# KiCad board tiny_rocket_av_bay.kicad_pcb
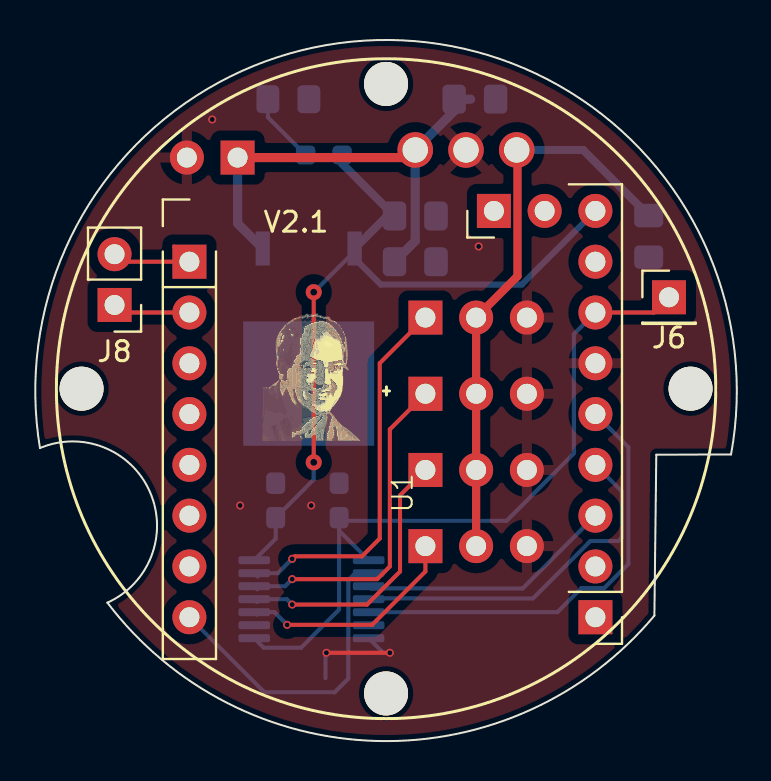
[diagram p0: board, top side]
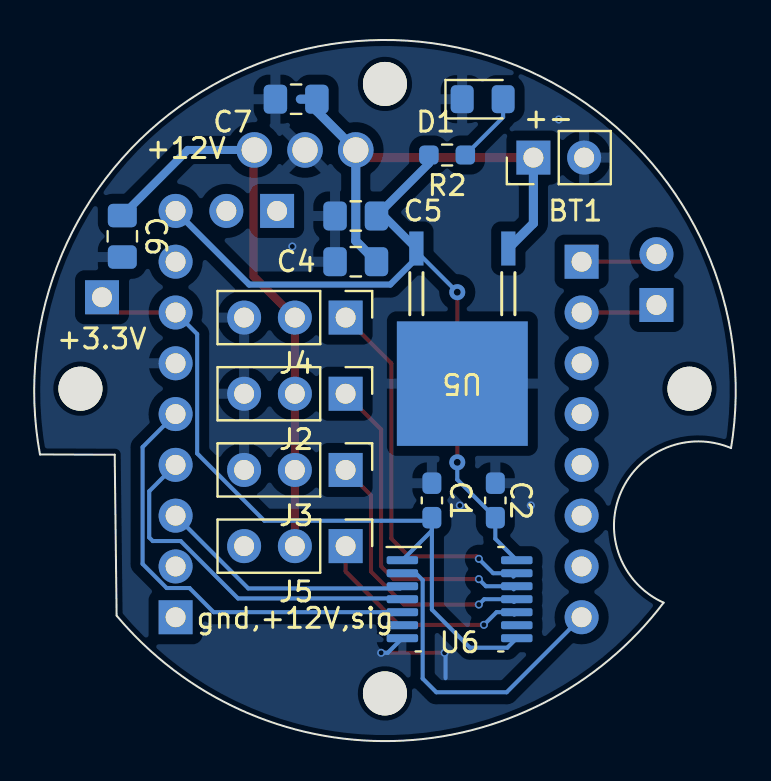
[diagram p1: board, bottom side, seen from below]

Outline 34.59 x 35.06 mm; copper layers: Top, Bottom. Coordinates in mm from the lower left corner of the outline.
Outline path: 0,14.65 arc(5.5,12.45) 3.37,6.92 arc(16.91,0) 30.75,6.27 30.85,14.32 34.59,14.33 arc(17.48,35.06) 0,14.65
Stack: Top 0.035mm / dielectric 1.51mm FR4 er 4.5 / Bottom 0.035mm

## Placement (name value [footprint] x y rotation side)
BT1  Battery  [PinHeader_1x02_P2.54mm_Vertical]  9.89 29.18 90 bottom
C1  .1u  [C_0603_1608Metric_Pad1.08x0.95mm_HandSolder]  14.97 12.03 270 bottom
C2  .1u  [C_0603_1608Metric_Pad1.08x0.95mm_HandSolder]  11.8 12.03 90 bottom
C4  10u  [C_0805_2012Metric_Pad1.18x1.45mm_HandSolder]  18.78 23.97 0 bottom
C5  10u  [C_0805_2012Metric_Pad1.18x1.45mm_HandSolder]  18.78 26.26 0 bottom
C6  10u  [C_0805_2012Metric_Pad1.18x1.45mm_HandSolder]  30.47 25.24 270 bottom
C7  10u  [C_0805_2012Metric_Pad1.18x1.45mm_HandSolder]  21.77 32.1 0 bottom
D1  On/Off - Green  [LED_0805_2012Metric_Pad1.15x1.40mm_HandSolder]  12.43 32.1 180 bottom
G***  -  [LOGO]  13.64 18.51 0 top
H1  MountingHole  [MountingHole_2.2mm_M2_DIN965]  2.08 17.62 0 top
H2  MountingHole  [MountingHole_2.2mm_M2_DIN965]  17.32 32.86 0 top
H3  MountingHole  [MountingHole_2.2mm_M2_DIN965]  32.56 17.62 0 top
H4  MountingHole  [MountingHole_2.2mm_M2_DIN965]  17.32 2.38 0 top
J2  Servo 1  [PinHeader_1x03_P2.54mm_Vertical]  19.29 17.37 270 bottom
J3  Servo 2  [PinHeader_1x03_P2.54mm_Vertical]  19.29 13.56 270 bottom
J4  Servo 0  [PinHeader_1x03_P2.54mm_Vertical]  19.29 21.18 270 bottom
J5  Servo 3  [PinHeader_1x03_P2.54mm_Vertical]  19.29 9.75 270 bottom
J6  VDDIO_EXT  [PinHeader_1x01_P2.54mm_Vertical]  31.48 22.19 0 top
J8  Analog  [PinHeader_1x02_P2.54mm_Vertical]  3.73 21.81 180 top
R2  96  [R_0603_1608Metric_Pad0.98x0.95mm_HandSolder]  14.21 29.3 180 bottom
U1  -  [Nicla Vision]  18.15 15.21 0 top
U4  MIC29300-12WT  [TO-220-3_MCL]  18.78 29.56 0 bottom
U5  BD450M5FP-CE2  [TO252-3_ROM]  13.45 17.87 0 bottom
U6  TXU0104BQAR  [HTSSOP-14-1EP_4.4x5mm_P0.65mm_EP3.4x5mm_Mask3x3.1mm]  13.59 7.09 180 bottom

## Library data of the parts
BT1 = -: Description: Multiple-cell battery
C1 C2 C4-C7 = -: Description: Unpolarized capacitor
D1 = -: Description: Light emitting diode
H1-H4 = -: Description: Mounting Hole without connection
J2-J5 = -: Description: Generic connector, single row, 01x03, script generated (kicad-library-utils/schlib/autogen/connector/)
J6 = -: Description: Generic connector, single row, 01x01, script generated (kicad-library-utils/schlib/autogen/connector/)
J8 = -: Description: Generic connector, single row, 01x02, script generated (kicad-library-utils/schlib/autogen/connector/)
R2 = -: Description: Resistor
U4 = -: Field5: TAB
U5 = -: Field4: *; Field5: *; Field6: *; Field7: *

## Footprints (pads in the part's own frame, mm; a bottom-side part is the same pattern mirrored in y, then rotated)
C_0603_1608Metric_Pad1.08x0.95mm_HandSolder
  rrect 1.075x0.95 smd: 1(-0.863,0) 2(0.863,0)
C_0805_2012Metric_Pad1.18x1.45mm_HandSolder
  rrect 1.175x1.45 smd: 1(-1.038,0) 2(1.038,0)
HTSSOP-14-1EP_4.4x5mm_P0.65mm_EP3.4x5mm_Mask3x3.1mm
  rrect 1.575x0.4 smd: 1(-2.862,1.95) 2(-2.862,1.3) 3(-2.862,0.65) 4(-2.862,0) 5(-2.862,-0.65) 6(-2.862,-1.3) 7(-2.862,-1.95) 8(2.862,-1.95) 9(2.862,-1.3) 10(2.862,-0.65) 11(2.862,0) 12(2.862,0.65) 13(2.862,1.3) 14(2.862,1.95)
LED_0805_2012Metric_Pad1.15x1.40mm_HandSolder
  rrect 1.15x1.4 smd: 1(-1.025,0) 2(1.025,0)
MountingHole_2.2mm_M2_DIN965
  round 2.2 hole 2.2 unplated: (0,0)
Nicla Vision
  rect 1.7x1.7 hole 1: 1(9.652,-9.017) 11(4.572,11.303) 12(-10.668,8.763)
  oval 1.7x1.7 hole 1: 2(9.652,-6.477) 3(9.652,-3.937) 4(9.652,-1.397) 5(9.652,1.143) 6(9.652,3.683) 7(9.652,6.223) 8(9.652,8.763) 9(9.652,11.303) 10(7.112,11.303) 13(-10.668,6.223) 14(-10.668,3.683) 15(-10.668,1.143) 16(-10.668,-1.397) 17(-10.668,-3.937) 18(-10.668,-6.477) 19(-10.668,-9.017)
PinHeader_1x01_P2.54mm_Vertical
  rect 1.7x1.7 hole 1: 1(0,0)
PinHeader_1x02_P2.54mm_Vertical
  rect 1.7x1.7 hole 1: 1(0,0)
  oval 1.7x1.7 hole 1: 2(0,-2.54)
PinHeader_1x03_P2.54mm_Vertical
  rect 1.7x1.7 hole 1: 1(0,0)
  oval 1.7x1.7 hole 1: 2(0,-2.54) 3(0,-5.08)
R_0603_1608Metric_Pad0.98x0.95mm_HandSolder
  rrect 0.975x0.95 smd: 1(-0.912,0) 2(0.912,0)
TO252-3_ROM
  rect 0.711x1.702 smd: 1(-2.3,-6.756) 3(2.3,-6.756)
  rect 6.553x6.223 smd: 2(0,0)
TO-220-3_MCL
  round 1.778 hole 1.27: 1(0,0) 2(2.54,0) 3(5.08,0)

## Nets
+3.3V: C1.2 J6.1 U1.7 U6.1 U6.8
+5V: C2.1 C5.1 R2.1 U1.9 U5.3 U6.14
+12V: C6.1 J2.2 J3.2 J4.2 J5.2 U4.3
bat+: BT1.1 C4.1 C7.1 U4.1 U5.1
bat-: BT1.2 C1.1 C2.2 C4.2 C5.2 C6.2 C7.2 D1.1 J2.3 J3.3 J4.3 J5.3 U1.6 U4.2 U5.2 U6.7
Servo 0 3.3v: U1.19 U6.2
Servo 0 5v: J4.1 U6.13
Servo 1 3.3v: U1.3 U6.3
Servo 1 5v: J2.1 U6.12
Servo 2 3.3v: U1.4 U6.4
Servo 2 5v: J3.1 U6.11
Servo 3 3.3v: U1.5 U6.5
Servo 3 5v: J5.1 U6.10
Net-(D1-A): D1.2 R2.2
Net-(J8-Pin_1): J8.1 U1.13
Net-(J8-Pin_2): J8.2 U1.12

Pads without a net: U1 1 2 8 10 11 14 15 16 17 18; U6 6 9

## Via types
v1: diameter 0.4, hole 0.25, Top to Bottom, 10 vias
v2: diameter 0.8, hole 0.35, Top to Bottom, 2 vias

## Routing (per net, layer and track width the routed paths; a pad name or vN(x,y) marks a point on that pad's centre or on a via; arc(x,y) is an arc through that point)
+3.3V: length 37.3
  Top w0.203: J6.1 30.72,21.43 U1.7
  Bottom w0.203: U1.7 26.72,20.35 26.72,14.38 23.36,11.02 15.13,11.02 C1.2 ; C1.2 14.97,6.57 13.07,4.67 11.2,4.67 U6.8 ; C1.2 14.97,10.52 U6.1
+5V: length 39.1
  Top w0.203: v2(13.7,22.45) v2(13.7,13.94)
  Bottom w0.203: v2(13.7,22.45) 15.75,24.49 U5.3 ; v2(13.7,13.94) 13.7,13.07 C2.1 11.8,10.11 U6.14
  Bottom w0.305: U5.3 15.75,24.13 17.06,22.83 24.12,22.83 U1.9
  Bottom w0.406: R2.1 15.12,28.88 C5.1 17.37,26.26 U5.3
+12V: length 28.6
  Top w0.406: J5.2 J3.2 J2.2 J4.2 23.9,23.25 23.9,29.52 U4.3
  Bottom w0.406: C6.1 27.19,29.56 U4.3
bat+: length 23.7
  Top w0.457: U4.1 18.4,29.18 BT1.1
  Bottom w0.457: 21.55,32.1 21.32,32.1 ; C7.1 20.73,31.5 U4.1 18.78,25.01 C4.1 ; BT1.1 9.89,25.89 U5.1
bat-: length 6.4
  Top w0.203: v1(14.34,4.41) v1(17.51,4.41)
  Top w0.457: 20.94,29.18 U4.2
  Bottom w0.203: v1(17.51,4.41) 17.18,4.41 U6.7 ; v1(14.34,4.41) 14.29,4.36 14.29,3.14
  vias: v1(8.62,31.08) v1(10.02,11.78) v1(13.57,11.78) v1(21.96,24.73)
Servo 0 3.3v: length 15.9
  Bottom w0.203: U1.19 11.23,2.44 14.75,2.44 15.43,3.12 15.43,8.05 15.78,8.39 U6.2
Servo 0 5v: length 19.2
  Top w0.203: v1(12.62,9.11) 12.75,9.24 16.11,9.24 17,10.13 17,18.89 J4.1
  Bottom w0.203: 10.89,8.22 U6.13 11.9,8.39 v1(12.62,9.11)
Servo 1 3.3v: length 12.9
  Bottom w0.203: U6.3 16.56,7.63 24.16,7.63 U1.3
Servo 1 5v: length 16.8
  Top w0.203: J2.1 17.51,15.59 17.51,8.73 16.88,8.09 v1(12.62,8.09)
  Bottom w0.203: 10.88,7.59 U6.12 12.27,7.74 v1(12.62,8.09)
Servo 2 3.3v: length 18.1
  Bottom w0.203: U1.4 29.12,12.49 29.12,10.18 28.94,10 27.54,10 24.67,7.13 16.49,7.13 U6.4
Servo 2 5v: length 13.9
  Top w0.203: J3.1 18.02,12.29 18.02,8.48 16.37,6.82 v1(12.62,6.82)
  Bottom w0.203: 10.86,6.95 U6.11 12.36,7.09 v1(12.62,6.82)
Servo 3 3.3v: length 22.2
  Bottom w0.203: U6.5 25.89,6.44 27.1,7.65 28.25,7.65 29.45,8.86 29.45,14.7 U1.5
Servo 3 5v: length 11.4
  Top w0.203: J5.1 19.29,8.48 16.62,5.81 v1(12.37,5.81)
  Bottom w0.203: 10.85,6.32 U6.10 11.74,6.44 v1(12.37,5.81)
Net-(D1-A): length 3.6
  Bottom w0.203: D1.2 11.41,31.19 R2.2
Net-(J8-Pin_1): length 3.9
  Top w0.203: 3.99,21.43 3.99,21.42 ; U1.13 4.11,21.43 J8.1
Net-(J8-Pin_2): length 5
  Top w0.203: 3.99,23.97 3.99,23.96 ; J8.2 4.11,23.97 U1.12 6.72,24.73

## Copper pours and planes (outline as drawn; the poured copper is in the pictures)
bat- on Top, Bottom: -19.32,-15.27 -19.32,48.86 105.14,48.86 105.14,-15.27

## Text on the board
B.Silkscreen: gnd,+12V,sig | +12V | +3.3V | -+
F.Silkscreen: V2.1
